# Allegro board SG2042_EVB_V1_1.brd (continued)
## Routing (per net, layer and track width the routed paths; a pad name or vN(x,y) marks a point on that pad's centre or on a via; arc(x,y) is an arc through that point) (continued)
N18761362: length 176.6
  TOP w0.102: U1.F37 v1(146.97,129.15) ; R1233.1 v1(257.28,142.24)
  ART03 w0.102: v1(253.75,174.45) 253.11,175.08 228.67,175.08 222.42,181.33 217.81,181.33 217.2,180.72 216.2,180.72 215.87,181.05 213.31,181.05 211.18,183.18 210.54,183.18 209.85,183.87 207.98,183.87 206.92,182.8 v1(206.02,182.8)
  ART10 w0.102: v1(257.28,142.24) 257.66,142.62 257.66,143.74 255.83,145.57 255.83,172.11 253.75,174.19 v1(253.75,174.45) ; v1(206.02,182.8) 204.56,182.8 200.69,178.94 195.87,178.94 175.45,158.52 164.7,158.52 146.62,140.44 146.62,133.37 147.08,132.91 147.08,131.32 147.35,131.05 147.35,129.53 v1(146.97,129.15)
N18761375: length 184.8
  TOP w0.102: U1.H36 v1(145.97,127.15) ; R1234.1 v1(270.48,139.7)
  ART03 w0.102: v1(259.84,169.9) 256.95,172.8 224.66,172.8 221.06,176.4 217.65,176.4 215.03,179.02 203.43,179.02 v1(201.55,180.9)
  ART10 w0.102: v1(259.84,169.9) 266.62,163.12 266.62,147.26 269.6,144.29 269.6,140.59 v1(270.48,139.7) ; v1(145.97,127.15) 146.56,127.73 146.56,132.72 146.12,133.16 146.12,140.65 164.49,159.03 175.24,159.03 195.66,179.45 200.1,179.45 v1(201.55,180.9)
N18761388: length 173.4
  TOP w0.089: 148.14,133.91 148.08,133.85 148.08,133.04 U1.B39
  TOP w0.102: v1(207.75,181.53) 204.44,178.23 192.85,178.23 183.38,168.76 171.13,168.76 169.57,167.2 169.57,162.38 148.14,140.95 148.14,133.91 ; R1235.1 v1(257.28,140.97)
  ART03 w0.102: v1(207.75,181.53) 207.75,182.09 208.86,183.21 209.25,183.21 210.59,181.86 211.78,181.86 213.1,180.54 215.66,180.54 215.99,180.21 217.41,180.21 218.02,180.82 222.21,180.82 228.58,174.45 v1(252.02,174.45)
  ART10 w0.102: v1(257.28,140.97) 254.56,143.69 254.56,171.78 252.02,174.32 v1(252.02,174.45)
N18761531: length 176.7
  TOP w0.102: U1.H37 v1(146.97,127.15) ; R1222.1 v1(270.48,150.06)
  ART03 w0.102: v1(205.38,182.17) 207.77,179.78 215.35,179.78 217.96,177.16 221.37,177.16 224.98,173.56 257.66,173.56 260.48,170.74 262.48,170.74 v1(263.32,169.9)
  ART10 w0.102: v1(263.32,169.9) 267.89,165.33 267.89,156.9 270.1,154.69 270.1,154.26 270.1,150.44 v1(270.48,150.06) ; v1(205.38,182.17) 204.28,182.17 200.8,178.69 195.98,178.69 175.56,158.27 164.81,158.27 146.88,140.34 146.88,133.48 147.34,133.02 147.34,131.42 147.56,131.2 147.56,127.73 v1(146.97,127.15)
N18761567: length 163.8
  TOP w0.102: U1.D39 v1(148.97,131.15) ; R1223.1 v1(257.28,151.33)
  ART03 w0.102: v1(210.29,184.07) 210.65,184.07 213.14,181.58 222.52,181.58 228.77,175.34 253.72,175.34 v1(254.61,174.45)
  ART10 w0.102: v1(148.97,131.15) 148.97,132.75 147.84,133.88 147.84,139.93 165.21,157.3 175.96,157.3 196.38,177.72 202.29,177.72 208.64,184.07 v1(210.29,184.07) ; v1(254.61,174.45) 254.61,174.19 256.34,172.47 256.34,152.27 v1(257.28,151.33)
N18869965: length 1.2
  BOTTOM w0.254: U28.6 155.05,27.39 R2186.1
N19544076: length 1
  TOP w0.102: R2199.1 75.1,223.07 U2004.6
N19544184: length 1.2
  TOP w0.102: R2200.1 112.99,217.76 U2005.6
N19598087: length 1.6
  TOP w0.102: U807.15 292.68,137.67 R2207.1
N19598088: length 1.7
  TOP w0.102: U807.17 292.47,138.97 R2205.1
N19598089: length 1.6
  TOP w0.102: R2203.1 292.69,140.92 U807.20
N19598092: length 1.6
  TOP w0.102: R2206.1 292.68,138.32 U807.16
N19598093: length 1.8
  TOP w0.102: U807.18 292.25,139.62 R2204.1
N19598211: length 1.6
  TOP w0.102: U806.20 292.69,156.16 R2211.1
N19598221: length 1.8
  TOP w0.102: U806.18 292.25,154.86 R2212.1
N19598231: length 1.7
  TOP w0.102: R2213.1 292.47,154.21 U806.17
N19598241: length 1.6
  TOP w0.102: R2214.1 292.68,153.56 U806.16
N19598251: length 1.6
  TOP w0.102: R2215.1 292.68,152.91 U806.15
N19598261: length 1.7
  TOP w0.102: U806.14 292.47,152.26 R2216.1
N19598271: length 1.8
  TOP w0.102: U806.13 292.25,151.61 R2217.1
N19598281: length 1.9
  TOP w0.102: U806.12 292.04,150.96 R2218.1
N19598691: length 1.6
  TOP w0.102: R2219.1 292.74,207.83 U14.20
N19598701: length 1.8
  TOP w0.102: R2220.1 292.3,206.53 U14.18
N19598711: length 1.7
  TOP w0.102: R2221.1 292.52,205.88 U14.17
N19598721: length 1.6
  TOP w0.102: R2222.1 292.73,205.23 U14.16
N19598731: length 1.6
  TOP w0.102: R2223.1 292.73,204.58 U14.15
N19598741: length 1.7
  TOP w0.102: R2224.1 292.52,203.93 U14.14
N19598751: length 1.8
  TOP w0.102: R2225.1 292.3,203.28 U14.13
N19598761: length 1.9
  TOP w0.102: U14.12 292.09,202.63 R2226.1
N19598883: length 1.6
  TOP w0.102: R2227.1 292.74,223.07 U12.20
N19598893: length 1.8
  TOP w0.102: U12.18 292.3,221.77 R2228.1
N19598903: length 1.7
  TOP w0.102: R2229.1 292.52,221.12 U12.17
N19598913: length 1.6
  TOP w0.102: R2230.1 292.73,220.47 U12.16
N19598923: length 1.6
  TOP w0.102: U12.15 292.73,219.82 R2231.1
N19598933: length 1.7
  TOP w0.102: U12.14 292.52,219.17 R2232.1
N19598943: length 1.8
  TOP w0.102: R2233.1 292.3,218.52 U12.13
N19598953: length 1.9
  TOP w0.102: U12.12 292.09,217.87 R2234.1
N19656677: length 5.5
  TOP w0.102: U2009.72 267.68,196.35 268.05,196.71 268.05,198.53 R2106.1
N19657847: length 3.5
  TOP w0.102: R2238.1 268.05,193.35 U2009.66
N19657896: length 3.6
  TOP w0.102: U2009.67 267.68,193.85 R2249.1
N19658008: length 3.5
  TOP w0.102: R2060.2 249.8,197.85 U2009.1
N19658025: length 3.3
  TOP w0.102: R2058.2 249.44,197.35 U2009.2
N19658042: length 3.2
  TOP w0.102: R2059.2 249.08,196.85 U2009.3
N19658046: length 3
  TOP w0.102: U2009.4 248.71,196.35 R2056.2
N19658132: length 3.3
  TOP w0.102: R2068.1 268.41,192.85 U2009.65
N19658148: length 3.2
  TOP w0.102: R2069.1 268.77,192.35 U2009.64
N19658164: length 3
  TOP w0.102: U2009.63 269.14,191.85 R2070.1
N19658180: length 2.9
  TOP w0.102: R2071.1 269.5,191.35 U2009.62
N19658288: length 3
  TOP w0.102: R2073.1 269.27,190.85 U2009.61
N19658426: length 3
  TOP w0.102: U2009.93 256.45,202.1 R2091.1
N19658442: length 3.2
  TOP w0.102: U2009.92 256.95,201.73 R2092.1
N19659174: length 3.1
  TOP w0.102: U2009.60 268.91,190.35 R2074.1
N19659190: length 3.3
  TOP w0.102: R2075.1 268.55,189.85 U2009.59
N19659206: length 3.4
  TOP w0.102: R2054.2 268.18,189.35 U2009.58
N19659257: length 3.5
  TOP w0.102: R2097_NC.2 267.96,187.85 U2009.55
N19659496: length 3
  TOP w0.102: U2009.76 264.95,202.1 R2250.1
N19659550: length 2.9
  TOP w0.102: U2009.5 248.35,195.85 R2104.2
N19659625: length 5.1
  TOP w0.102: R2076.1 268.3,197.92 268.3,196.46 267.68,195.85 U2009.71
N19659641: length 4.7
  TOP w0.102: U2009.70 267.68,195.35 268.55,196.22 268.55,197.31 R2077.1
N19659658: length 4.4
  TOP w0.102: R2057.2 268.81,196.7 268.81,195.97 267.68,194.85 U2009.69
N19659674: length 4
  TOP w0.102: R2072.1 269.06,196.09 269.06,195.72 267.68,194.35 U2009.68
N19659756: length 3.7
  TOP w0.102: R2235.2 267.59,187.35 U2009.54
N19659773: length 4
  TOP w0.102: U2009.53 267.51,186.85 268.94,185.42 268.94,185.14 R2236.2
N19659891: length 4.3
  TOP w0.102: U2009.52 267.48,186.35 268.66,185.17 268.66,184.56 R2078.1
N19659907: length 4.7
  TOP w0.102: R2079.1 268.38,183.97 268.38,184.91 267.44,185.85 U2009.51
N19659975: length 3.2
  TOP w0.102: U2009.77 264.45,201.74 R2251.1
N19660152: length 3.2
  TOP w0.102: U2009.87 259.45,201.56 R2252.1
N19660154: length 3.1
  TOP w0.102: R2253.1 259.95,201.92 U2009.86
N19684132: length 3
  TOP w0.102: R578.2 149.61,8.31 Q2003.3 149.61,6.65 149.91,6.35 R581.1
N19684174: length 1.2
  TOP w0.102: Q2002.1 149.92,9.43 R578.1
N19684220: length 1.2
  TOP w0.102: Q2003.1 146.31,8.37 R2272.1
N19738408: length 107.5
  TOP w0.102: U1.B21 129.97,133.15 129.97,141.54 128.7,142.81 128.7,153.76 125.49,156.97 106.8,156.97 92.93,170.84 91.85,170.84 79.84,182.85 70.39,182.85 66.55,186.69 R2299.2
N19746790: length 2.1
  TOP w0.102: R173.2 213.31,182.3 C586.2 213.49,182.11 U11.2
N19746810: length 2.1
  TOP w0.102: U11.3 213.49,181.61 C586.1 213.31,181.43 R189.2
N19747341: length 4.2
  TOP w0.102: U2009.48 263.95,182.99 265.11,181.84 265.68,181.84 R2304.2
N19747342: length 3.7
  TOP w0.102: U2009.47 263.45,183.21 R2303.2
N19756638: length 2.9
  TOP w0.102: R2323.1 260.45,202.28 U2009.85
N19756640: length 2.9
  TOP w0.102: U2009.84 260.95,202.28 R2324.1
N19756678: length 3.1
  TOP w0.102: U2009.83 261.45,201.92 R2325.1
N19756934: length 3.4
  TOP w0.102: R2331.2 258.95,182.52 U2009.38
N19756936: length 3.3
  TOP w0.102: R2332.2 259.45,182.16 U2009.39
N19756974: length 3.1
  TOP w0.102: U2009.40 259.95,181.8 R2333.2
N19756976: length 3
  TOP w0.102: U2009.41 260.45,181.43 R2334.2
N19757014: length 2.9
  TOP w0.102: R2335.2 260.95,181.39 U2009.42
N19757016: length 3.1
  TOP w0.102: R2336.2 261.45,181.75 U2009.43
N19757054: length 3.2
  TOP w0.102: U2009.44 261.95,182.12 R2337.2
N19757056: length 3.4
  TOP w0.102: R2338.2 262.45,182.48 U2009.45
N19813579: length 1.5
  TOP w0.102: U811.1 R2366.2
N19813634: length 1.5
  TOP w0.102: U10.1 R2368.2
N19911399: length 8.3
  TOP w0.305: U2010.19 v1(22.55,155.87)
  BOTTOM w0.254: v1(22.55,155.87) 25.3,153.12 R2254.2 R2255.2
  BOTTOM w0.381: v1(22.55,155.87) 22.54,155.88 FB2018.2 FB2017.2
N19927520: length 105.2
  TOP w0.102: R1214.2 66.48,187.2 70.51,183.16 79.96,183.16 91.98,171.15 93.06,171.15 106.93,157.28 125.61,157.28 129.01,153.88 129.01,142.93 130.47,141.47 U1.A21
N19927533: length 109.3
  TOP w0.089: 132.14,133.91 132.08,133.85 132.08,133.04 U1.B23
  TOP w0.102: R1215.2 66.35,189.48 71.15,184.68 80.59,184.68 92.61,172.67 93.69,172.67 107.56,158.8 126.24,158.8 130.53,154.51 130.53,143.57 132.14,141.96 132.14,133.91
N19927546: length 103.8
  TOP w0.102: U1.D24 v1(132.97,131.15) ; R1216.2 v1(59.77,185.37)
  ART10 w0.102: v1(59.77,185.37) 59.77,182.57 61.23,181.1 80.13,181.1 107.61,153.63 118.81,153.63 133.35,139.09 133.35,131.96 132.97,131.58 v1(132.97,131.15)
N19927559: length 111.8
  TOP w0.102: U1.A24 133.47,141.92 131.44,143.95 131.44,154.89 126.62,159.72 107.94,159.72 94.07,173.58 92.99,173.58 80.97,185.6 71.53,185.6 66.12,191.01 R1217.2
N19927572: length 110.6
  TOP w0.102: R1218.2 66.19,190.5 71.4,185.29 80.85,185.29 92.86,173.28 93.94,173.28 107.81,159.41 126.5,159.41 131.14,154.77 131.14,143.82 132.97,141.99 132.97,133.15 U1.B24
N19927577: length 107.6
  TOP w0.089: U1.B22 131.08,133.04 131.08,133.85 131.14,133.91
  TOP w0.102: 131.14,133.91 131.14,141.66 129.62,143.19 129.62,154.13 125.86,157.89 107.18,157.89 93.31,171.75 92.23,171.75 80.21,183.77 70.77,183.77 66.35,188.19 R1219.2
N20020535: length 3.5
  TOP w0.102: R2305.2 262.95,182.84 U2009.46
N20196811: length 6.2
  TOP w0.102: J1104.A1 28.65,115.9 28.88,116.13 R1183.1
N20196869: length 6
  TOP w0.381: J1104.B8 17.5,108.9 C1744.1 v1(17.5,109.5)
  TOP w0.635: J1104.A9 28.8,107.9 ; J1104.A10 28.8,106.9
  vias: v1(28.83,107.9) v1(28.83,106.9)
N20197901: length 3.3
  TOP w0.508: J1104.B10 17.72,106.9 FB1111.1
N20206228: length 4.3
  TOP w0.102: R2394.1 275.39,29.97 277.32,31.91 J2018.A1
N20206252: length 5.5
  TOP w0.381: v1(286.79,39.29) C3295.1 286.79,39.9 J2018.B8
  TOP w0.635: J2018.A10 276,41.9 ; J2018.A9 276,40.9
  vias: v1(275.97,41.9) v1(275.97,40.9)
N20206630: length 2.7
  TOP w0.508: J2018.B10 286.62,41.9 FB2020.1
N20209067: length 4.3
  TOP w0.102: R2398.1 234.75,29.97 236.68,31.91 J2019.A1
N20209091: length 5.5
  TOP w0.381: v1(246.15,39.29) C3299.1 246.15,39.9 245.21,39.9
  TOP w0.635: 245.21,39.9 J2019.B8 ; J2019.A9 235.36,40.9 ; J2019.A10 235.36,41.9
  vias: v1(235.33,41.9) v1(235.33,40.9)
N20209469: length 2.7
  TOP w0.508: FB2022.1 245.98,41.9 J2019.B10
N20251326: length 3.8
  TOP w0.091: R274.1 145.58,23.05 145.37,23.05 144.79,22.47 144.79,21.9 144.12,21.24 143.85,21.24 143.77,21.16 U17.9
N20251336: length 3.8
  TOP w0.091: U17.10 143.77,21.66 143.85,21.57 143.98,21.57 144.45,22.04 144.45,22.61 145.23,23.38 145.58,23.38 R275.1
N20340782: length 1.6
  TOP w0.102: U2011.16 15.64,183.52 R2399.1
N20340795: length 1.6
  TOP w0.102: R2209.1 14.99,183.52 U2011.15
N20340808: length 1.7
  TOP w0.102: R2306.1 14.34,183.73 U2011.14
N20340896: length 1.6
  TOP w0.102: R2426.1 18.24,183.51 U2011.20
N20340906: length 1.8
  TOP w0.102: U2011.18 16.94,183.95 R2427.1
N20340916: length 1.7
  TOP w0.102: U2011.17 16.29,183.73 R2428.1
N20344047: length 2.2
  TOP w0.102: Q2005.3 R2432.2 R2430.1
N20344085: length 1.7
  TOP w0.102: Q2004.1 153.43,13.47 154.15,14.2 R2432.1
N20344111: length 2
  TOP w0.102: Q2005.1 158.98,13.23 R2433.1
N20380019: length 2.1
  TOP w0.102: U2012.2 288.01,195.56 C3317.2 289.05,195.38 R2436.2
N20380039: length 2.1
  TOP w0.102: U2012.3 288.06,196.06 C3317.1 289.05,196.19 R2437.2
N20380722: length 0.9
  TOP w0.102: R2437.1 R2436.1
N20382229: length 1.3
  TOP w0.102: U2012.8 284.44,195.06 R2439.1
N20382232: length 1.3
  TOP w0.102: R2438.1 284.43,195.56 U2012.7
N20423655: length 1.2
  TOP w0.102: R2441.2 245.01,194.61 Q403.1
N20449661: length 1.3
  TOP w0.102: R2443.2 261.5,176.83 Q2009.1
N20451057: length 2.9
  TOP w0.102: R2445.1 262.95,202.38 U2009.80
N20451254: length 1.3
  TOP w0.102: Q2008.1 240.37,192.6 R2446.2
N20453905: length 1.3
  TOP w0.102: Q2010.3 LED500.C
N20453966: length 1.2
  TOP w0.102: R2080.2 252.65,233.48 Q2010.1
N20514721: length 5.8
  TOP w0.102: U53.45 229.76,212.51 229.16,213.11 228.14,213.11 227.79,213.46 R2450.1 R2449.2
N20776883: length 0.9
  TOP w0.203: C1284.1 R2460.2
N20778101: length 1.4
  TOP w0.203: R2454.1 219.12,73.96 U54.32
N20778124: length 1.4
  TOP w0.203: U55.32 54.58,74.57 R2455.1
N20778147: length 1.4
  TOP w0.203: U34.32 179.33,202.01 R2456.1
N20778170: length 1.4
  TOP w0.203: U35.32 169.27,202.01 R2457.1
N20778193: length 1.4
  TOP w0.203: R2458.1 149.16,202.01 U39.32
N20778220: length 1.4
  TOP w0.203: R2459.1 139.1,202.01 U40.32
N20778262: length 1.4
  TOP w0.203: R2460.1 159.21,202.01 U36.32
N20778285: length 1.4
  TOP w0.203: R2461.1 118.98,202.01 U42.32
N20778308: length 1.4
  TOP w0.203: R2462.1 108.92,202.01 U41.32
N20778331: length 1.4
  TOP w0.203: R2463.1 129.04,202.01 U38.32
N20778354: length 1.4
  TOP w0.203: R2464.1 98.86,202.01 U44.32
N20778377: length 1.4
  TOP w0.203: U43.32 124.5,14.52 R2465.1
N20782835: length 1.5
  TOP w0.102: R2470.1 276.45,231.62 U805.25
N20782838: length 1.5
  TOP w0.102: R2471.1 276.45,232.12 U805.26
N20782903: length 1.5
  TOP w0.102: R2472.1 287.55,231.62 U15.25
N20782906: length 1.5
  TOP w0.102: R2473.1 287.55,232.12 U15.26
N20783823: length 1.9
  TOP w0.102: U2011.7 14.34,192.44 R2474.2
N20953590: length 1.5
  TOP w0.102: R2481.2 U2013.1
N20953776: length 1.5
  TOP w0.102: R2489.2 U2014.1
N20957708: length 3.4
  TOP w0.102: R2490.1 268.32,188.35 U2009.56
N172017850: length 1.8
  TOP w0.254: R450.1 223.95,110.08 223.53,110.51 U47.5
N172172761: length 1.9
  TOP w0.102: Y2.2 138.28,7.07 R272.2
N178115841: length 2.3
  TOP w0.102: D520.C 9.67,148.19 Q501.3
N178115910: length 1.2
  TOP w0.102: Q501.1 11.79,144.91 R580.1
N178704724: length 1.8
  TOP w0.254: U56.5 56.19,112.77 56.62,112.34 R660.1
N185890460: length 5.3
  TOP w0.254: R576.1 255.88,237.67 255.13,238.42 LED500.A
N199113838: length 1.7
  TOP w0.102: R2247.1 25.09,153.27 U2010.15
N199113839: length 1.6
  TOP w0.102: R2389.1 25.29,153.92 U2010.16
N1714183128: length 1.6
  BOTTOM w0.102: R68.2 28.72,198.21 U7.13
N1991138310: length 1.6
  TOP w0.102: R2386.1 25.29,156.52 U2010.20
N1991138316: length 1.7
  TOP w0.102: R2248.1 24.88,152.62 U2010.14
N1991138317: length 1.7
  TOP w0.102: U2010.17 25.08,154.57 R2388.1
N1991138318: length 1.7
  TOP w0.102: U2010.18 24.87,155.22 R2387.1

## Copper pours and planes (outline as drawn; the poured copper is in the pictures)
3.3V_AUX on TOP (solid shape): 250.7,41.17 250.34,40.82 247.73,40.82 247.73,42.09 250.7,42.09
3.3V_AUX on TOP (solid shape): 291.34,41.17 290.98,40.82 288.37,40.82 288.37,42.09 291.34,42.09
3.3V_AUX on BOTTOM (solid shape): 104.42,218.17 104.42,216.94 98.96,216.94 98.37,217.52 98.37,218.32 104.27,218.32
3.3V_AUX on BOTTOM (solid shape): outline of 1597 points within 144.75,30.38 291.54,50.62
3.3V_AUX on ART03 (solid shape): outline of 740 points within 220.88,91.39 228.75,110.54
3.3V_AUX on ART03 (solid shape): outline of 3720 points within 111.85,31.6 166.38,49.55
3.3V_AUX on ART05 (solid shape): outline of 41098 points within 15.52,33.86 257.94,230.3
12V_DIMM on TOP (solid shape): 218.95,66.98 218.06,66.98 217.73,66.86 217.56,66.55 217.54,66.52 217.53,66.48 217.51,66.36 217.51,65.7 217.52,65.66 217.52,65 217.97,65 217.97,62.53 217.33,62.53 217.33,64.14 216.43,64.14 216.43,65.66 216.37,65.66 216.37,72.09 218.95,72.09
12V_DIMM on TOP (solid shape): 58.98,72.16 59.12,72.1 59.18,71.96 59.18,67.21 58.85,66.88 58.29,66.88 57.96,66.75 57.79,66.44 57.77,66.4 57.76,66.36 57.75,66.32 57.75,66.26 57.75,65.6 57.75,65.56 57.75,64.9 58.2,64.9 58.2,62.43 57.56,62.43 57.56,64.04 56.66,64.04 56.66,65.56 56.62,65.56 56.62,67.16 56.6,67.16 56.6,72.16
12V_DIMM on TOP (solid shape): 62.27,174.68 63.78,174.68 63.93,174.68 63.93,174.01 64.75,174.01 64.75,174.68 67.28,174.68 68.27,173.69 78.42,173.69 80.21,171.9 80.21,169.34 80.09,169.34 80.02,169.38 79.99,169.45 79.99,169.47 79.38,170.08 78.77,169.47 78.77,169.45 78.74,169.38 78.67,169.34 78.49,169.34 78.29,169.55 78.01,169.73 77.68,169.8 77.13,169.8 76.8,169.73 76.52,169.55 76.32,169.34 76.19,169.34 76.19,170.08 74.97,170.08 74.97,169.34 71.9,169.34 71.58,169.41 71.27,169.34 70.7,169.34 70.62,169.38 70.59,169.45 70.59,169.47 69.98,170.08 69.37,169.47 69.38,169.45 69.35,169.38 69.27,169.34 68.1,169.34 67.78,169.41 67.47,169.34 66.79,169.34 66.79,170.08 65.57,170.08 65.57,169.11 65.54,169.09 65.51,169.06 65.43,168.99 64.9,168.99 64.75,168.99 64.75,169.65 63.93,169.65 63.93,168.99 62.18,168.99 61.09,167.89 56.06,167.89 56.06,175.72 61.22,175.72
12V_DIMM on TOP (solid shape): 220.73,167.89 215.67,167.89 215.37,168.2 215.37,168.22 215.22,168.56 214.88,168.71 214.86,168.71 214.58,168.99 212.17,168.99 212.01,168.99 212.01,169.65 211.2,169.65 211.2,168.99 210.46,168.99 209.76,169.41 209.06,168.99 208.76,168.99 208.67,169.04 208.67,169.14 208.75,169.3 208.77,169.47 208.16,170.08 207.55,169.47 207.58,169.3 207.65,169.14 207.65,169.04 207.56,168.99 206.66,168.99 205.96,169.41 205.26,168.99 204.97,168.99 204.97,170.08 203.75,170.08 203.75,168.99 202.92,168.99 202.77,168.99 202.77,169.65 201.95,169.65 201.95,168.99 201.06,168.99 200.36,169.41 199.66,168.99 199.36,168.99 199.27,169.04 199.28,169.14 199.35,169.3 199.37,169.47 198.76,170.08 198.15,169.47 198.18,169.3 198.25,169.14 198.25,169.04 198.16,168.99 197.26,168.99 196.56,169.41 195.86,168.99 195.57,168.99 195.57,170.08 194.35,170.08 194.35,169.09 194.13,169.09 194.13,171.9 195.93,173.69 207.65,173.69 208.64,174.68 212.7,174.68 213.56,175.54 213.62,175.59 213.74,175.72 220.73,175.72
12V_DIMM on ART05 (solid shape): outline of 3189 points within 56.06,69.98 65.43,175.72
12V_DIMM on ART05 (solid shape): outline of 3990 points within 210.52,69.9 220.73,175.72
12V_DIMM on PWR07 (solid shape): outline of 4110 points within 48.97,167.13 222.91,222.53
12V_DIMM on PWR08 (solid shape): outline of 4109 points within 48.97,167.13 222.91,222.53
12V_F on TOP (solid shape): 181.23,11.85 177.51,11.85 177.51,13.5 179.25,15.24 181.23,15.24
12V_F_R on TOP (solid shape): 169.34,12.85 170.16,12.85 170.16,13.51 171.5,13.51 171.5,9.14 169.86,7.5 163.34,7.5 163.34,6.15 163.33,6.1 163.33,6.01 163.31,5.93 163.29,5.84 163.26,5.76 163.22,5.68 163.18,5.6 163.13,5.53 163.07,5.46 163.01,5.4 162.94,5.34 162.87,5.29 162.79,5.25 162.71,5.21 162.62,5.18 162.54,5.15 162.45,5.14 162.36,5.13 162.32,5.13 161.7,5.13 161.65,5.13 161.56,5.14 161.48,5.15 161.39,5.18 161.31,5.21 161.23,5.25 161.15,5.29 161.08,5.34 161.01,5.4 160.97,5.44 161.59,5.44 160.97,5.44 160.95,5.46 160.89,5.53 160.84,5.6 160.79,5.68 160.76,5.76 160.73,5.84 160.7,5.93 160.69,6.01 160.68,6.1 160.68,6.15 160.68,11.76 162.43,13.51 169.34,13.51
12V_F_R on PWR07 (solid shape): outline of 580 points within 160.76,3.02 186.39,9.07
+3.3V_ATX on TOP (solid shape): outline of 101 points within 61.01,221.21 70.03,239.98
+3.3V_ATX on ART05 (solid shape): outline of 1814 points within 59.96,231.02 112.56,240.82
+3.3V_ATX on PWR07 (solid shape): outline of 14423 points within 31.47,5.97 275.29,222.53
+3.3V_ATX on PWR08 (solid shape): outline of 14425 points within 31.47,5.97 275.29,222.53
+5V on TOP (solid shape): 141.48,225.68 141.48,224.05 140.97,224.05 140.97,224.56 140.53,225.01 139.17,225.01 139.17,226.15 141.01,226.15
+5V on TOP (solid shape): 149.86,31.86 147.65,31.86 147.58,31.89 147.52,31.89 147.45,31.89 147.38,31.86 143.54,31.86 143.54,31.41 140.69,31.41 140.69,31.86 138.79,31.86 138.79,32.36 142.37,32.36 142.37,33.16 149.86,33.16
+5V on TOP (solid shape): 84.89,222.01 84.89,218.15 82.45,218.15 81.29,216.99 76.05,216.99 76.05,220.55 81.23,220.55 81.23,220.5 81.24,220.45 81.25,220.4 81.28,220.35 81.31,220.31 81.34,220.27 81.39,220.24 81.43,220.22 81.48,220.2 81.53,220.19 81.58,220.19 82.93,220.19 82.96,220.19 83.01,220.2 83.06,220.22 83.1,220.24 83.15,220.27 83.18,220.31 83.21,220.35 83.24,220.4 83.25,220.45 83.26,220.5 83.26,220.55 83.25,220.6 83.24,220.65 83.21,220.7 83.18,220.74 83.15,220.77 83.1,220.81 83.06,220.83 83.01,220.84 82.96,220.85 82.93,220.85 81.58,220.85 81.53,220.85 81.48,220.84 81.43,220.83 81.39,220.8 81.34,220.77 81.31,220.74 81.28,220.7 81.25,220.65 81.24,220.6 81.23,220.55 76.05,220.55 76.05,223.8 83.09,223.8
+5V on BOTTOM (solid shape): 90.37,222.34 89.01,222.34 88.57,221.89 88.57,221.39 88.06,221.39 88.06,223.16 88.38,223.48 90.37,223.48
+5V on BOTTOM (solid shape): 80.02,217.64 79.38,216.99 77.01,216.99 76.87,217.05 76.81,217.2 76.81,219.39 77.53,220.1 80.02,220.1
+5V on BOTTOM (solid shape): 145.26,32.94 145.26,32.94 145.72,32.49 145.72,31.83 145.06,31.83 145.06,31.8 144.86,31.8 144.63,31.72 144.53,31.5 144.52,31.46 142.62,31.46 142.48,31.52 142.42,31.66 142.42,32.97 142.48,33.11 142.62,33.17 145.03,33.17
+5V on ART05 (solid shape): outline of 9929 points within 117.93,24.1 265.2,230.58
+5V on ART10 (solid shape): outline of 498 points within 76.81,217.02 119.28,230.45
+5V_ATX on TOP (solid shape): outline of 548 points within 73.1,227.2 91.03,239.98
+5V_ATX on BOTTOM (solid shape): outline of 765 points within 73.1,224.15 98.16,239.98
+5V_ATX on ART10 (solid shape): outline of 1726 points within 59.96,231.02 112.56,240.82
+5V_SB on BOTTOM (solid shape): outline of 413 points within 95.23,221.36 107.83,239.98
+12V_ATX on TOP (solid shape): 258.91,17.07 264.72,17.07 273.01,25.36 288.25,25.36 288.25,13.04 284.66,9.45 208.51,9.45 205.41,12.54 205.05,12.96 204.62,13.33 203.58,14.38 200.43,14.38 199.43,13.37 199.42,13.37 198.96,12.96 198.55,12.5 198.55,12.49 197.89,11.84 184.63,11.84 184.63,17.66 186.43,19.46 209.32,19.46 211.71,17.07 234.71,17.07 243,25.36 250.62,25.36
+12V_ATX on TOP (solid shape): outline of 460 points within 98.95,217.88 114.15,241.4
+12V_ATX on PWR07 (solid shape): outline of 28842 points within 23.55,22.02 295.55,241.4
+12V_ATX on PWR08 (solid shape): outline of 28844 points within 23.55,22.02 295.55,241.4
GND on TOP (solid shape): 41.45,113.49 38.47,113.49 38.47,122.17 41.45,122.17
GND on TOP (solid shape): 52.65,78.89 51.03,78.89 51.03,82.83 52.65,82.83
GND on TOP (solid shape): 53.09,95 51.71,95 51.71,97.03 53.09,97.03
GND on TOP (solid shape): 53.09,94.02 51.71,94.02 51.71,95.81 53.09,95.81
GND on TOP (solid shape): 55.75,40.51 54.41,40.51 54.41,46.2 55.75,46.2
GND on TOP (solid shape): 55.97,67.39 54.25,67.39 54.25,72.16 55.97,72.16
GND on TOP (solid shape): 59.45,111.95 57.48,111.95 57.48,114.36 59.45,114.36
GND on TOP (solid shape): 59.72,94.02 57.91,94.02 57.91,95.81 59.72,95.81
GND on TOP (solid shape): 63.13,108.09 57.59,108.09 57.59,110.06 63.13,110.06
GND on TOP (solid shape): 63.26,121.81 60.85,121.81 60.85,123.77 63.26,123.77
GND on TOP (solid shape): 63.26,89.59 60.85,89.59 60.85,91.55 63.26,91.55
GND on TOP (solid shape): 63.26,83.41 60.85,83.41 60.85,85.38 63.26,85.38
GND on TOP (solid shape): 101.73,178.36 100.38,178.36 100.38,181.36 101.73,181.36
GND on TOP (solid shape): 102.41,193.14 100.79,193.14 100.79,197.69 102.41,197.69
GND on TOP (solid shape): 105.16,178.36 103.78,178.36 103.78,181.36 105.16,181.36
GND on TOP (solid shape): 111.79,178.36 110.44,178.36 110.44,181.36 111.79,181.36
GND on TOP (solid shape): 112.47,193.14 110.85,193.14 110.85,197.69 112.47,197.69
GND on TOP (solid shape): 113.59,225.76 111.85,225.76 111.85,228.93 113.59,228.93
GND on TOP (solid shape): 115.21,178.36 113.84,178.36 113.84,181.36 115.21,181.36
GND on TOP (solid shape): 121.84,178.36 120.5,178.36 120.5,181.36 121.84,181.36
GND on TOP (solid shape): 122.53,193.14 120.91,193.14 120.91,197.69 122.53,197.69
GND on TOP (solid shape): 122.58,18.85 120.95,18.85 120.95,22.78 122.58,22.78
GND on TOP (solid shape): 123.01,33.98 121.64,33.98 121.64,35.76 123.01,35.76
GND on TOP (solid shape): 125.27,178.36 123.9,178.36 123.9,181.36 125.27,181.36
GND on TOP (solid shape): 129.64,33.98 127.84,33.98 127.84,35.76 129.64,35.76
GND on TOP (solid shape): 130.64,173.56 123.36,173.56 123.36,176.45 130.64,176.45
GND on TOP (solid shape): 131.9,178.36 130.56,178.36 130.56,181.36 131.9,181.36
GND on TOP (solid shape): 132.59,193.14 130.97,193.14 130.97,197.69 132.59,197.69
GND on TOP (solid shape): 135.33,178.36 133.96,178.36 133.96,181.36 135.33,181.36
GND on TOP (solid shape): 141.96,178.36 140.61,178.36 140.61,181.36 141.96,181.36
GND on TOP (solid shape): 142.65,193.14 141.03,193.14 141.03,197.69 142.65,197.69
GND on TOP (solid shape): 145.39,178.36 144.02,178.36 144.02,181.36 145.39,181.36
GND on TOP (solid shape): 152.02,178.36 150.67,178.36 150.67,181.36 152.02,181.36
GND on TOP (solid shape): 152.59,173.56 145.3,173.56 145.3,176.45 152.59,176.45
GND on TOP (solid shape): 152.7,193.14 151.08,193.14 151.08,197.69 152.7,197.69
GND on TOP (solid shape): 155.45,178.36 154.08,178.36 154.08,181.36 155.45,181.36
GND on TOP (solid shape): 162.08,178.36 160.73,178.36 160.73,181.36 162.08,181.36
GND on TOP (solid shape): 162.7,14.18 161.2,14.18 161.2,15.95 162.7,15.95
GND on TOP (solid shape): 162.76,193.14 161.14,193.14 161.14,197.69 162.76,197.69
GND on TOP (solid shape): 165.51,178.36 164.13,178.36 164.13,181.36 165.51,181.36
GND on TOP (solid shape): 168.2,17.19 164.72,17.19 164.72,20.17 168.2,20.17
GND on TOP (solid shape): 172.14,178.36 170.79,178.36 170.79,181.36 172.14,181.36
GND on TOP (solid shape): 172.82,193.14 171.2,193.14 171.2,197.69 172.82,197.69
GND on TOP (solid shape): 175.56,178.36 174.19,178.36 174.19,181.36 175.56,181.36
GND on TOP (solid shape): 182.19,178.36 180.85,178.36 180.85,181.36 182.19,181.36
GND on TOP (solid shape): 182.88,193.14 181.26,193.14 181.26,197.69 182.88,197.69
GND on TOP (solid shape): 215.1,122.42 212.69,122.42 212.69,124.38 215.1,124.38
GND on TOP (solid shape): 215.1,81.97 212.69,81.97 212.69,83.93 215.1,83.93
GND on TOP (solid shape): 215.13,89.18 212.71,89.18 212.71,91.15 215.13,91.15
GND on TOP (solid shape): 215.73,67.26 214.02,67.26 214.02,72.03 215.73,72.03
GND on TOP (solid shape): 217.19,78.28 215.57,78.28 215.57,82.22 217.19,82.22
GND on TOP (solid shape): 217.63,93.41 216.26,93.41 216.26,95.2 217.63,95.2
GND on TOP (solid shape): 218.83,107.48 213.3,107.48 213.3,109.45 218.83,109.45
GND on TOP (solid shape): 218.92,111.34 216.95,111.34 216.95,113.75 218.92,113.75
GND on TOP (solid shape): 224.26,93.41 222.45,93.41 222.45,95.2 224.26,95.2
GND on TOP (solid shape): 228.56,30.35 225.58,30.35 225.58,35 228.56,35
GND on TOP (solid shape): 232.51,38.68 231.27,38.68 231.27,42.24 232.51,42.24
GND on TOP (solid shape): 243.41,28.4 237.21,28.4 237.21,31.98 243.41,31.98
GND on TOP (solid shape): 257.78,26.14 254.78,26.14 254.78,29.62 257.78,29.62
GND on TOP (solid shape): 258.27,32.33 254.78,32.33 254.78,37.47 258.27,37.47
GND on TOP (solid shape): 269.19,31.52 266.22,31.52 266.22,35.59 269.19,35.59
GND on TOP (solid shape): 272.9,40.08 270.66,40.08 270.66,42.34 272.9,42.34
GND on TOP (solid shape): 284.05,27.81 277.8,27.81 277.8,31.98 284.05,31.98
GND on TOP (solid shape): 298.65,26.72 295.42,26.72 295.42,35.23 298.65,35.23
GND on TOP (solid shape): 95.1,178.36 94.31,178.36 93.73,178.94 93.73,181.36 95.1,181.36
GND on TOP (solid shape): 108.7,173.56 105.61,173.56 103.99,175.18 103.99,176.45 108.7,176.45
GND on TOP (solid shape): 150.82,158.11 150.82,157.07 149.99,157.07 149.99,158.3 150.63,158.3
GND on TOP (solid shape): 262.77,200.35 261.63,200.35 261.63,201.84 261.85,202.06 262.77,202.06
GND on TOP (solid shape): 264.27,201.66 264.27,200.35 263.13,200.35 263.13,202.06 263.88,202.06
GND on TOP (solid shape): 52.07,74.65 52.96,74.65 52.96,74.12 51.03,74.12 51.03,75.49 52.07,75.49
GND on TOP (solid shape): 63.13,100.03 59.23,100.03 58.66,100.6 57.59,100.6 57.59,101.99 63.13,101.99
GND on TOP (solid shape): 102.41,201.09 101.37,201.09 101.37,201.93 100.48,201.93 100.48,202.46 102.41,202.46
GND on TOP (solid shape): 112.47,201.09 111.43,201.09 111.43,201.93 110.54,201.93 110.54,202.46 112.47,202.46
GND on TOP (solid shape): 122,14.61 122.89,14.61 122.89,14.07 120.95,14.07 120.95,15.44 122,15.44
GND on TOP (solid shape): 122.53,201.09 121.49,201.09 121.49,201.93 120.6,201.93 120.6,202.46 122.53,202.46
GND on TOP (solid shape): 132.59,201.09 131.55,201.09 131.55,201.93 130.66,201.93 130.66,202.46 132.59,202.46
GND on TOP (solid shape): 140.67,223.75 141.53,223.75 141.53,221.72 139.04,221.72 139.04,224.37 140.67,224.37
GND on TOP (solid shape): 142.65,201.09 141.6,201.09 141.6,201.93 140.72,201.93 140.72,202.46 142.65,202.46
GND on TOP (solid shape): 152.7,201.09 151.66,201.09 151.66,201.93 150.77,201.93 150.77,202.46 152.7,202.46
GND on TOP (solid shape): 162.76,201.09 161.72,201.09 161.72,201.93 160.83,201.93 160.83,202.46 162.76,202.46
GND on TOP (solid shape): 172.82,201.09 171.78,201.09 171.78,201.93 170.89,201.93 170.89,202.46 172.82,202.46
GND on TOP (solid shape): 182.88,201.09 181.84,201.09 181.84,201.93 180.95,201.93 180.95,202.46 182.88,202.46
GND on TOP (solid shape): 216.61,74.04 217.5,74.04 217.5,73.51 215.57,73.51 215.57,74.88 216.61,74.88
GND on TOP (solid shape): 218.83,99.99 218.22,99.99 217.65,99.42 213.3,99.42 213.3,101.38 218.83,101.38
GND on TOP (solid shape): 64.49,201.7 65.15,201.7 65.15,200.81 64.49,200.81 64.49,200.64 63.55,200.64 63.55,201.7 64.49,201.7
GND on TOP (solid shape): 147.17,15.32 145.18,15.32 145.18,16.86 145.18,16.91 145.17,16.96 145.18,17.05 145.26,17.09 147.17,17.09
GND on TOP (solid shape): 153.24,33.76 151.92,33.76 151.92,34.32 151.92,34.33 151.96,34.43 151.97,34.54 151.96,34.65 151.92,34.76 151.92,34.77 151.92,36.2 153.24,36.2
GND on TOP (solid shape): 214.43,48.97 214.45,48.86 214.35,48.79 213.21,48.79 213.21,48.41 213.03,48.24 212.8,48.24 212.8,49.96 213.43,49.96
GND on TOP (solid shape): 143.1,227.48 142.65,227.02 142.61,226.97 142.6,226.9 142.6,226.51 142.53,226.42 142.42,226.44 142.19,226.67 142.19,228.02 143.1,228.02
GND on TOP (solid shape): 155.73,27.11 155.79,27.2 155.9,27.18 156.13,26.95 156.13,25.6 155.22,25.6 155.22,26.14 155.68,26.59 155.71,26.65 155.73,26.72
GND on TOP (solid shape): 54.05,107.28 54.08,107.21 54.05,107.14 53.97,107.03 53.94,106.89 53.94,106.85 53.95,106.8 53.95,106.69 52.22,106.69 52.22,107.69 53.65,107.69
GND on TOP (solid shape): 292.46,175 292.46,174.95 292.45,174.87 292.38,174.83 292.38,174.6 291.86,174.6 291.74,174.71 291.58,174.76 291.57,174.76 289.43,174.76 289.43,175.08 290.37,175.08 290.37,175.92 291.54,175.92
GND on TOP (solid shape): 136.23,18.49 136.32,18.42 136.43,18.39 136.5,18.34 136.52,18.26 136.5,18.16 136.52,18.05 136.5,17.97 136.43,17.92 136.32,17.89 136.22,17.82 135.67,17.27 133.6,17.27 133.6,19.05 135.67,19.05
GND on TOP (solid shape): 60.05,66.8 60.01,66.79 59.98,66.77 59.95,66.75 58.78,65.58 58.74,65.53 58.73,65.46 58.73,65.4 58.46,65.4 58.46,66.08 58.58,66.2 58.62,66.37 58.62,66.41 58.61,66.45 58.63,66.53 58.71,66.57 58.98,66.57 59.41,67 60.05,67
GND on TOP (solid shape): 148.36,157.35 148.45,157.35 148.45,152.96 150.96,152.96 150.96,152.89 150.75,152.68 149.38,152.68 149.38,151.87 149.61,151.87 149.61,150.31 145.97,146.68 145.86,146.66 145.8,146.75 145.8,151.87 146.84,151.87 146.84,152.43 147.1,152.69 147.14,152.75 147.15,152.82 147.15,152.96 147.77,152.96 147.77,157.35 147.85,157.35 147.85,158.91 148.36,158.91
GND on TOP (solid shape): 26.47,198.15 27.18,198.15 27.18,196.42 27.36,196.42 27.36,195.19 27.06,194.89 26.75,194.89 26.75,195.89 22.48,195.89 22.48,194.21 22.23,194.21 22.23,195.55 22.28,195.65 22.3,195.76 22.22,195.98 22.01,196.09 21.97,196.09 21.97,196.31 22.01,196.32 22.15,196.37 22.25,196.47 23.83,196.47 23.83,198.53 26.47,198.53
GND on TOP (solid shape): 259.28,201.48 259.28,200.35 257.13,200.35 257.13,201.66 257.22,201.75 257.31,201.77 257.38,201.72 257.5,201.58 257.68,201.52 257.92,201.62 258.01,201.85 258.01,201.89 258,201.93 258.02,202.02 258.1,202.06 258.7,202.06
GND on TOP (solid shape): 224.89,216.11 224.96,216.21 225.07,216.17 225.25,216.03 225.48,215.98 225.53,215.98 225.53,215.92 225.68,215.92 225.68,215.26 225.68,213.51 225.91,213.51 225.91,213.46 225.92,213.39 225.96,213.34 226.8,212.5 226.86,212.46 226.92,212.45 228.03,212.45 228.03,211.99 228.09,211.79 228.27,211.67 228.3,211.66 228.3,210.78 227.19,210.78 224.89,213.08
GND on TOP (solid shape): 47.62,202.18 49.4,202.18 49.4,202.89 49.56,202.89 50.62,201.83 50.62,201.55 50.68,201.31 50.84,201.12 50.88,201.04 50.84,200.96 50.8,200.93 50.58,200.71 49.39,200.71 49.38,200.75 48.51,201.42 47.65,200.75 47.64,200.71 46.41,200.71 46.41,200.94 45.44,200.94 45.44,202.67 46.41,202.67 46.41,202.89 47.62,202.89
GND on TOP (solid shape): 145.67,30.32 145.63,30.24 145.54,30.22 145.5,30.22 145.47,30.23 145.3,30.18 145.18,30.06 145.1,30.01 145.02,30.04 144.07,30.99 144.01,31.02 143.94,31.04 143.89,31.04 143.89,31.31 144.57,31.31 144.69,31.18 144.86,31.14 145.09,31.24 145.19,31.47 145.18,31.53 145.16,31.59 145.17,31.69 145.26,31.73 145.67,31.73
GND on TOP (solid shape): 137.34,26.59 137.5,26.22 137.87,26.06 137.91,26.06 137.95,26.07 137.95,26.06 138.51,26.06 138.51,25.58 138.51,25.56 138.63,25.34 138.86,25.25 139.06,25.25 139.06,24.31 138.23,24.31 138.23,23.49 139.36,23.49 139.37,23.48 139.37,23.37 139.33,23.29 139.24,23.27 139.19,23.29 139.14,23.29 138.9,23.19 138.81,22.96 138.81,22.92 138.81,22.88 138.8,22.8 138.72,22.76 137.86,22.76 137.86,21.93 136.78,21.93 136.78,26.33 137.09,26.64 137.34,26.64
GND on TOP (solid shape): 249.88,189.67 249.96,189.62 249.96,189.51 249.93,189.43 249.92,189.35 250.01,189.11 250.25,189.02 250.29,189.02 250.32,189.02 250.41,189.01 250.45,188.93 250.45,188.13 250.41,188.11 250.35,188.09 250.3,188.04 250.17,187.92 250.16,187.92 249.92,187.6 250.16,187.28 250.17,187.28 250.25,187.2 250.28,187.09 250.18,187.02 249.99,187.02 249.92,187.01 249.86,186.97 249.62,186.73 249.51,186.7 249.45,186.8 249.45,189.46 249.66,189.67
GND on TOP (solid shape): 47.65,200.32 48.51,199.64 49.38,200.32 49.39,200.35 50.58,200.35 50.8,200.13 50.84,200.11 50.88,200.03 50.84,199.94 50.68,199.76 50.62,199.52 50.62,199.24 49.56,198.17 49.39,198.17 49.38,198.21 48.51,198.88 47.65,198.21 47.64,198.17 46.41,198.17 46.41,198.4 45.44,198.4 45.44,200.13 46.41,200.13 46.41,200.35 47.64,200.35
GND on TOP (solid shape): 159.31,159.68 159.41,159.62 159.38,159.51 150.14,150.26 150.02,150.24 149.96,150.33 149.96,151.87 151,151.87 151,152.43 151.27,152.69 151.3,152.75 151.32,152.82 151.32,152.96 151.93,152.96 151.93,157.07 151.46,157.07 151.46,158.24 151.43,158.36 151.36,158.47 150.98,158.85 150.88,158.92 150.76,158.94 149.99,158.94 149.99,159.03 149.87,159.03 149.83,159.09 149.81,159.13 149.48,159.46 149.37,159.53 149.25,159.55 147.54,159.55 147.49,159.56 147.45,159.56 147.33,159.54 147.24,159.49 145.67,159.49 145.57,159.47 145.49,159.41 145.24,159.16 145.2,159.11 145.18,159.06 145.16,159.03 144.2,159.03 144.2,157.35 144.29,157.35 144.29,152.96 146.8,152.96 146.8,152.89 146.59,152.68 145.21,152.68 145.21,151.87 145.44,151.87 145.44,146.74 139.85,141.15 139.41,141.15 139.41,142.1 143.64,146.33 143.67,146.38 143.69,146.45 143.69,158.75 144.62,159.68
GND on TOP (solid shape): outline of 213 points within 150.65,133.65 196.97,176.53
GND on TOP (solid shape): outline of 90 points within 194.41,97.64 219.49,103.6
GND on TOP (solid shape): outline of 90 points within 55.97,98.25 81.53,104.16
GND on TOP (solid shape): outline of 447 points within 77.58,144.82 81.53,152.11
GND on TOP (solid shape): outline of 97363 points within 0.41,0.41 304.39,243.43
GND on BOTTOM (solid shape): 13.93,219.52 12.19,219.52 12.19,223.88 13.93,223.88
GND on BOTTOM (solid shape): 36.35,221.74 35.15,221.74 35.15,223.88 36.35,223.88
GND on BOTTOM (solid shape): 60.27,84.05 51.13,84.05 51.13,88.38 60.27,88.38
GND on BOTTOM (solid shape): 102.67,187.01 92.81,187.01 92.81,191.34 102.67,191.34
GND on BOTTOM (solid shape): 112.73,187.01 102.87,187.01 102.87,191.34 112.73,191.34
GND on BOTTOM (solid shape): 122.78,187.01 112.93,187.01 112.93,191.34 122.78,191.34
GND on BOTTOM (solid shape): 130.56,24 120.7,24 120.7,28.33 130.56,28.33
GND on BOTTOM (solid shape): 132.84,187.01 122.99,187.01 122.99,191.34 132.84,191.34
GND on BOTTOM (solid shape): 142.9,187.01 133.05,187.01 133.05,191.34 142.9,191.34
GND on BOTTOM (solid shape): 152.96,187.01 143.1,187.01 143.1,191.34 152.96,191.34
GND on BOTTOM (solid shape): 153.24,33.76 151.92,33.76 151.92,36.2 153.24,36.2
GND on BOTTOM (solid shape): 163.02,187.01 153.16,187.01 153.16,191.34 163.02,191.34
GND on BOTTOM (solid shape): 173.08,187.01 163.22,187.01 163.22,191.34 173.08,191.34
GND on BOTTOM (solid shape): 183.13,187.01 173.28,187.01 173.28,191.34 183.13,191.34
GND on BOTTOM (solid shape): 224.82,83.44 215.67,83.44 215.67,87.77 224.82,87.77
GND on BOTTOM (solid shape): 52.12,81.1 58.19,81.1 58.19,78.59 56.9,78.59 56.9,79.73 53.54,79.73 53.54,78.59 51.18,78.59 51.18,82.85 52.12,82.85
GND on BOTTOM (solid shape): 96.55,196.88 99.9,196.88 99.9,197.99 102.26,197.99 102.26,193.7 101.5,193.7 101.5,195.05 95.25,195.05 95.25,197.99 96.55,197.99
GND on BOTTOM (solid shape): 106.6,196.88 109.96,196.88 109.96,197.99 112.32,197.99 112.32,193.7 111.56,193.7 111.56,195.05 105.31,195.05 105.31,197.99 106.6,197.99
GND on BOTTOM (solid shape): 116.66,196.88 120.02,196.88 120.02,197.99 122.38,197.99 122.38,193.7 121.62,193.7 121.62,195.05 115.37,195.05 115.37,197.99 116.66,197.99
GND on BOTTOM (solid shape): 122.05,21.06 128.12,21.06 128.12,18.54 126.82,18.54 126.82,19.68 123.47,19.68 123.47,18.54 121.11,18.54 121.11,22.81 122.05,22.81
GND on BOTTOM (solid shape): 126.72,196.88 130.07,196.88 130.07,197.99 132.44,197.99 132.44,193.7 131.67,193.7 131.67,195.05 125.43,195.05 125.43,197.99 126.72,197.99
GND on BOTTOM (solid shape): 136.78,196.88 140.13,196.88 140.13,197.99 142.49,197.99 142.49,193.7 141.73,193.7 141.73,195.05 135.48,195.05 135.48,197.99 136.78,197.99
GND on BOTTOM (solid shape): 146.84,196.88 150.19,196.88 150.19,197.99 152.55,197.99 152.55,193.7 151.79,193.7 151.79,195.05 145.54,195.05 145.54,197.99 146.84,197.99
GND on BOTTOM (solid shape): 156.9,196.88 160.25,196.88 160.25,197.99 162.61,197.99 162.61,193.7 161.85,193.7 161.85,195.05 155.6,195.05 155.6,197.99 156.9,197.99
GND on BOTTOM (solid shape): 166.95,196.88 170.31,196.88 170.31,197.99 172.67,197.99 172.67,193.7 171.91,193.7 171.91,195.05 165.66,195.05 165.66,197.99 166.95,197.99
GND on BOTTOM (solid shape): 177.01,196.88 180.37,196.88 180.37,197.99 182.73,197.99 182.73,193.7 181.97,193.7 181.97,195.05 175.72,195.05 175.72,197.99 177.01,197.99
GND on BOTTOM (solid shape): 216.66,80.49 222.73,80.49 222.73,77.98 221.44,77.98 221.44,79.12 218.08,79.12 218.08,77.98 215.72,77.98 215.72,82.25 216.66,82.25
GND on BOTTOM (solid shape): 87.35,223.98 87.12,223.75 87.01,223.73 86.94,223.82 86.94,224.21 86.93,224.27 86.89,224.33 86.44,224.79 86.44,225.32 87.35,225.32
GND on BOTTOM (solid shape): 155.2,27.18 155.31,27.2 155.37,27.11 155.37,26.72 155.38,26.65 155.42,26.59 155.88,26.14 155.88,25.6 154.97,25.6 154.97,26.95
GND on BOTTOM (solid shape): 134.41,137.12 134.41,136.63 134.35,136.53 134.24,136.56 117.1,153.7 117.08,153.81 117.17,153.87 117.66,153.87
GND on BOTTOM (solid shape): 136.41,137.99 136.41,136.74 136.35,136.64 136.24,136.66 118.39,154.51 118.37,154.62 118.46,154.69 119.72,154.69
GND on BOTTOM (solid shape): 173.81,164.57 173.9,164.5 173.88,164.39 145.71,136.22 145.6,136.19 145.53,136.29 145.53,137.55 172.55,164.57
GND on BOTTOM (solid shape): 214.76,45.47 214.83,45.39 214.92,45.34 214.98,45.26 214.95,45.17 210.5,40.72 194.41,40.72 194.41,41.4 210.17,41.4 210.24,41.42 210.29,41.45 214.31,45.47
GND on BOTTOM (solid shape): 46.64,177.95 46.72,177.91 46.73,177.81 46.72,177.76 46.71,177.7 46.72,177.63 44.38,175.29 43.03,175.29 42.94,175.35 42.96,175.46 45.45,177.95
GND on BOTTOM (solid shape): 102.7,224.46 102.78,224.42 102.8,224.33 102.8,224.3 102.79,224.26 102.8,224.21 102.81,224.16 102.82,224.13 102.06,223.37 102.06,222.08 100.11,222.08 100.11,221.3 99.59,221.3 99.59,221.84 99.75,221.84 99.75,223.6 100.11,223.6 100.11,222.57 101.67,222.57 101.67,223.62 101.8,223.62 101.8,224.46
GND on BOTTOM (solid shape): 29.64,174.27 29.64,174.23 29.65,174.19 29.63,174.11 29.55,174.07 20.74,174.07 20.67,174.05 20.61,174.01 19.39,172.8 18.32,172.8 18.23,172.86 18.25,172.97 20,174.73 29.64,174.73
GND on BOTTOM (solid shape): 186.41,41.45 186.47,41.42 186.54,41.4 197.69,41.4 197.69,40.72 186.33,40.72 171.09,55.95 170.99,56.02 170.87,56.05 105.18,56.05 105.06,56.02 104.96,55.95 89.58,40.58 78.59,40.58 78.59,41.17 89.48,41.17 89.55,41.19 89.61,41.23 111.45,63.07 164.8,63.07
GND on BOTTOM (solid shape): 86.87,178.14 86.9,178.03 86.8,177.97 62.04,177.97 61.97,177.95 61.91,177.91 61.29,177.29 55.09,177.29 54.91,177.47 54.92,177.55 54.89,177.67 54.82,177.78 54.8,177.89 54.89,177.95 55.17,177.95 55.24,177.97 55.29,178 56.56,179.27 85.74,179.27
GND on BOTTOM (solid shape): 209.42,214.5 209.51,214.46 209.52,214.37 209.5,214.31 209.5,214.25 209.51,214.18 206.68,211.35 112.01,211.35 111.92,211.42 111.94,211.53 112.05,211.69 112.09,211.89 112.09,212.34 112.08,212.45 112.04,212.56 112.05,212.65 112.14,212.7 201.01,212.7 201.07,212.71 201.13,212.75 202.88,214.5
GND on BOTTOM (solid shape): 242.65,178.49 241.51,177.34 218.83,177.34 218.04,178.13 218.01,178.24 218.11,178.31 218.16,178.31 218.23,178.32 218.29,178.36 219.38,179.45 221.08,179.45 221.41,179.12 221.41,179.04 221.74,178.71 222.07,179.04 222.07,179.65 222.07,179.69 222.06,179.73 222.08,179.82 222.16,179.86 241.28,179.86
GND on BOTTOM (solid shape): 138.73,23.16 138.8,23.12 138.81,23.04 138.81,23 138.81,22.96 138.81,22.91 138.82,22.85 138.82,22.73 138.73,22.73 138.73,21.11 139.55,21.11 139.55,24.07 140.23,24.07 140.23,21.11 141.05,21.11 141.05,22.23 141.11,22.32 141.22,22.3 141.42,22.1 141.52,22.03 141.64,22.01 141.73,22.01 141.73,21.11 142.55,21.11 142.55,22.01 142.79,22.01 142.99,21.81 142.99,20.07 142.09,20.07 142.09,19.25 142.99,19.25 142.99,18.57 142.09,18.57 142.09,17.7 141.73,17.7 141.73,17.04 141.55,17.04 141.55,17.7 140.74,17.7 140.74,17.04 140.54,17.04 140.54,17.7 139.73,17.7 139.73,16.8 139.04,16.8 139.04,17.7 138.68,17.7 138.68,18.57 137.78,18.57 137.78,19.25 138.68,19.25 138.68,20.07 137.78,20.07 137.78,23.88 137.82,23.88 137.82,24.12 138.73,24.12
GND on BOTTOM (solid shape): 115.29,151.64 115.38,151.58 115.37,151.47 115.31,151.37 115.29,151.26 115.39,151.02 115.62,150.93 115.85,151.01 115.95,151.23 116.02,151.32 116.12,151.29 130.18,137.24 130.18,134.65 129.77,134.65 129.77,135.1 129.76,135.17 129.72,135.22 114.17,150.78 114.14,150.87 114.2,150.94 114.37,151.06 114.43,151.26 114.41,151.37 114.35,151.47 114.33,151.58 114.43,151.64
GND on BOTTOM (solid shape): 47.5,177.95 47.58,177.91 47.59,177.81 47.58,177.76 47.57,177.7 47.9,177.37 48.24,177.7 48.23,177.76 48.21,177.81 48.23,177.91 48.31,177.95 54.28,177.95 54.37,177.89 54.35,177.78 54.28,177.67 54.25,177.55 54.25,177.09 47.73,177.09 47.66,177.08 47.6,177.04 45.65,175.08 44.92,175.08 44.83,175.15 44.85,175.26 46.97,177.37 47.04,177.37 47.27,177.46 47.37,177.7 47.37,177.76 47.35,177.81 47.36,177.91 47.45,177.95
GND on BOTTOM (solid shape): outline of 101 points within 60.57,173.79 68.08,176.43
GND on BOTTOM (solid shape): 217.45,176.78 218.21,176.02 218.26,175.98 218.33,175.97 219.46,175.97 219.56,175.9 219.53,175.79 219.48,175.75 218.92,175.19 218.77,174.83 218.92,174.47 219.43,173.96 219.45,173.85 219.36,173.79 207.97,173.79 207.87,173.86 207.91,173.97 208.34,174.48 208.49,175.12 208.33,175.78 207.88,176.29 207.84,176.41 207.94,176.48 209.98,176.48 210.67,175.79 210.73,175.76 210.79,175.74 213,175.74 213.11,175.65 213.26,175.62 213.59,175.95 213.26,176.28 213.09,176.23 212.97,176.1 210.87,176.1 210.36,176.61 210.33,176.72 210.43,176.78 212.93,176.78 212.93,176.74 213.05,176.55 213.26,176.48 213.49,176.58 213.59,176.81 213.58,176.88 213.56,176.95 213.57,177.04 213.65,177.09 217.14,177.09
GND on BOTTOM (solid shape): 228.28,173.96 228.3,173.85 228.2,173.79 220.32,173.79 220.23,173.85 220.25,173.96 220.76,174.47 220.9,174.83 220.76,175.19 220.2,175.75 220.15,175.79 220.11,175.9 220.21,175.97 221.62,175.97 222.12,175.46 222.18,175.43 222.25,175.41 223.73,175.41 224.03,175.1 224.03,175.03 224.59,174.8 224.36,175.36 224.29,175.36 224.01,175.63 224,175.69 224.05,175.72 224.08,175.72 224.09,175.7 224.21,175.6 224.36,175.56 224.69,175.9 224.36,176.23 224.2,176.19 224.08,176.07 222.45,176.07 222.12,176.41 222.1,176.52 222.19,176.58 223.01,176.58 223.01,176.53 223.12,176.31 223.34,176.22 223.58,176.32 223.67,176.56 223.67,176.6 223.66,176.65 223.67,176.74 223.76,176.78 225.45,176.78
GND on BOTTOM (solid shape): 52.59,176.73 52.68,176.67 52.66,176.56 52.07,175.96 51.99,175.97 51.66,175.64 51.99,175.31 54.58,175.31 54.82,175.41 54.91,175.71 55.12,175.92 56.52,175.92 56.61,175.86 56.59,175.75 56.03,175.19 55.88,174.83 56.03,174.47 56.59,173.91 56.95,173.76 57.31,173.91 57.87,174.47 58.01,174.83 57.87,175.19 57.31,175.75 57.28,175.86 57.38,175.92 60.12,175.92 62.29,173.76 62.31,173.65 62.22,173.58 54.49,173.58 54.05,174.01 54,174.05 53.93,174.07 46.76,174.07 46.76,174.25 47.83,175.32 47.9,175.31 48.14,175.87 47.57,175.64 47.58,175.57 46.56,174.55 46.45,174.55 46.35,174.61 46.37,174.72 46.97,175.32 47.04,175.31 47.27,175.41 47.37,175.64 47.32,175.81 47.19,175.94 47.14,176.01 47.17,176.1 47.8,176.73
GND on BOTTOM (solid shape): outline of 273 points within 41.09,210.41 48.72,214.12
GND on BOTTOM (solid shape): outline of 328 points within 198.44,173.79 206.29,176.48
GND on BOTTOM (solid shape): outline of 869 points within 186.28,179.88 211.45,185.37
GND on BOTTOM (solid shape): outline of 1155 points within 151.77,125.09 164.08,134.9
GND on BOTTOM (solid shape): outline of 2092 points within 157.88,93.48 164.08,119.2
GND on BOTTOM (solid shape): outline of 2104 points within 111.87,93.48 118.07,119.2
GND on BOTTOM (solid shape): outline of 5202 points within 78.59,0.41 197.69,55.41
GND on BOTTOM (solid shape): outline of 9752 points within 78.59,41.73 197.69,87.24
GND on BOTTOM (solid shape): outline of 97203 points within 0.41,0.41 304.39,243.43
GND on GND02 (solid shape): outline of 224474 points within 0.41,0.41 304.39,243.43
GND on ART03 (solid shape): 252.68,215.36 252.7,215.25 252.61,215.19 230.15,215.19 229.87,215.47 229.87,215.72 252.32,215.72
GND on ART03 (solid shape): 56.89,224.93 56.98,224.9 59.7,222.18 59.59,222.07 59.55,222.02 59.54,221.98 59.47,221.9 59.37,221.92 56.62,224.67 56.78,224.84 56.8,224.86 56.81,224.88
GND on ART03 (solid shape): 29.06,188.85 29.08,188.83 29.12,188.76 29.09,188.68 29,188.59 28.96,188.54 28.95,188.47 28.95,188.21 28.78,188.21 26.64,190.35 26.62,190.46 26.71,190.52 27.38,190.52
GND on ART03 (solid shape): 234.4,219.55 234.39,219.48 234.42,219.36 234.49,219.25 234.51,219.14 234.41,219.08 213.46,219.08 213.37,219.14 213.39,219.25 213.83,219.68 234.27,219.68
GND on ART03 (solid shape): 221.18,199.85 221.26,199.81 221.27,199.72 221.26,199.67 221.26,199.62 221.28,199.49 221.36,199.39 221.38,199.28 221.28,199.21 210.21,199.21 209.88,199.54 209.82,199.58 209.75,199.59 207.59,199.59 207.59,199.85
GND on ART03 (solid shape): 214.3,206.26 214.36,206.17 214.36,205.11 213.96,204.72 212.2,204.72 212.2,205.1 212.19,205.16 212.17,205.2 212.16,205.31 212.25,205.36 213.03,205.36 213.1,205.38 213.16,205.41 213.96,206.22 214.03,206.21 214.12,206.22 214.2,206.26
GND on ART03 (solid shape): 199.56,216.59 199.66,216.52 199.63,216.41 199.55,216.3 199.52,216.16 199.61,215.94 199.82,215.84 199.91,215.77 199.88,215.66 197,212.78 173.06,212.78 172.97,212.84 172.99,212.95 176.62,216.59
GND on ART03 (solid shape): 227.49,215.92 227.59,215.86 227.56,215.75 225.86,214.05 211.11,214.05 211.03,214.08 211.01,214.17 211.02,214.21 211.02,214.25 211.02,214.32 210.99,214.38 211,214.48 211.09,214.53 213.84,214.53 213.91,214.54 213.97,214.58 214.93,215.54 226.64,215.54 226.71,215.56 226.77,215.6 227.1,215.92
GND on ART03 (solid shape): 120.7,76.97 120.67,76.95 120.61,76.92 120.56,76.86 120.49,76.76 120.47,76.65 120.47,74.48 115.22,69.22 115.15,69.11 115.12,68.99 115.12,68.14 89.15,42.16 81.59,42.16 81.59,46.22 81.59,46.44 91.61,46.44 91.74,46.47 91.85,46.54 113.84,68.52 113.91,68.63 113.94,68.76 113.94,69.58 119.71,75.35 119.79,75.46 119.81,75.59 119.81,81.35 120.7,81.35
GND on ART03 (solid shape): 222.49,182.44 222.51,182.33 222.42,182.27 218.37,182.27 217.15,183.49 217.09,183.53 217.02,183.54 216.38,183.54 216.31,183.53 216.26,183.49 215.98,183.21 214.22,183.21 214.13,183.27 214.14,183.37 214.18,183.46 214.2,183.57 214.2,183.6 214.19,183.64 214.21,183.73 214.29,183.77 221.17,183.77
GND on ART03 (solid shape): 258.75,228.47 258.75,228.22 255.47,228.22 252.32,231.37 252.3,231.48 252.39,231.55 252.5,231.55 253.42,230.63 253.47,230.59 253.54,230.58 255.02,230.58 255.08,230.59 255.14,230.63 255.35,230.84 255.42,230.83 255.66,230.93 255.75,231.17 255.7,231.35 255.54,231.47 255.51,231.49 255.51,231.57 255.65,231.57
